# KiCad board analog_frontend_panel.kicad_pcb (continued)
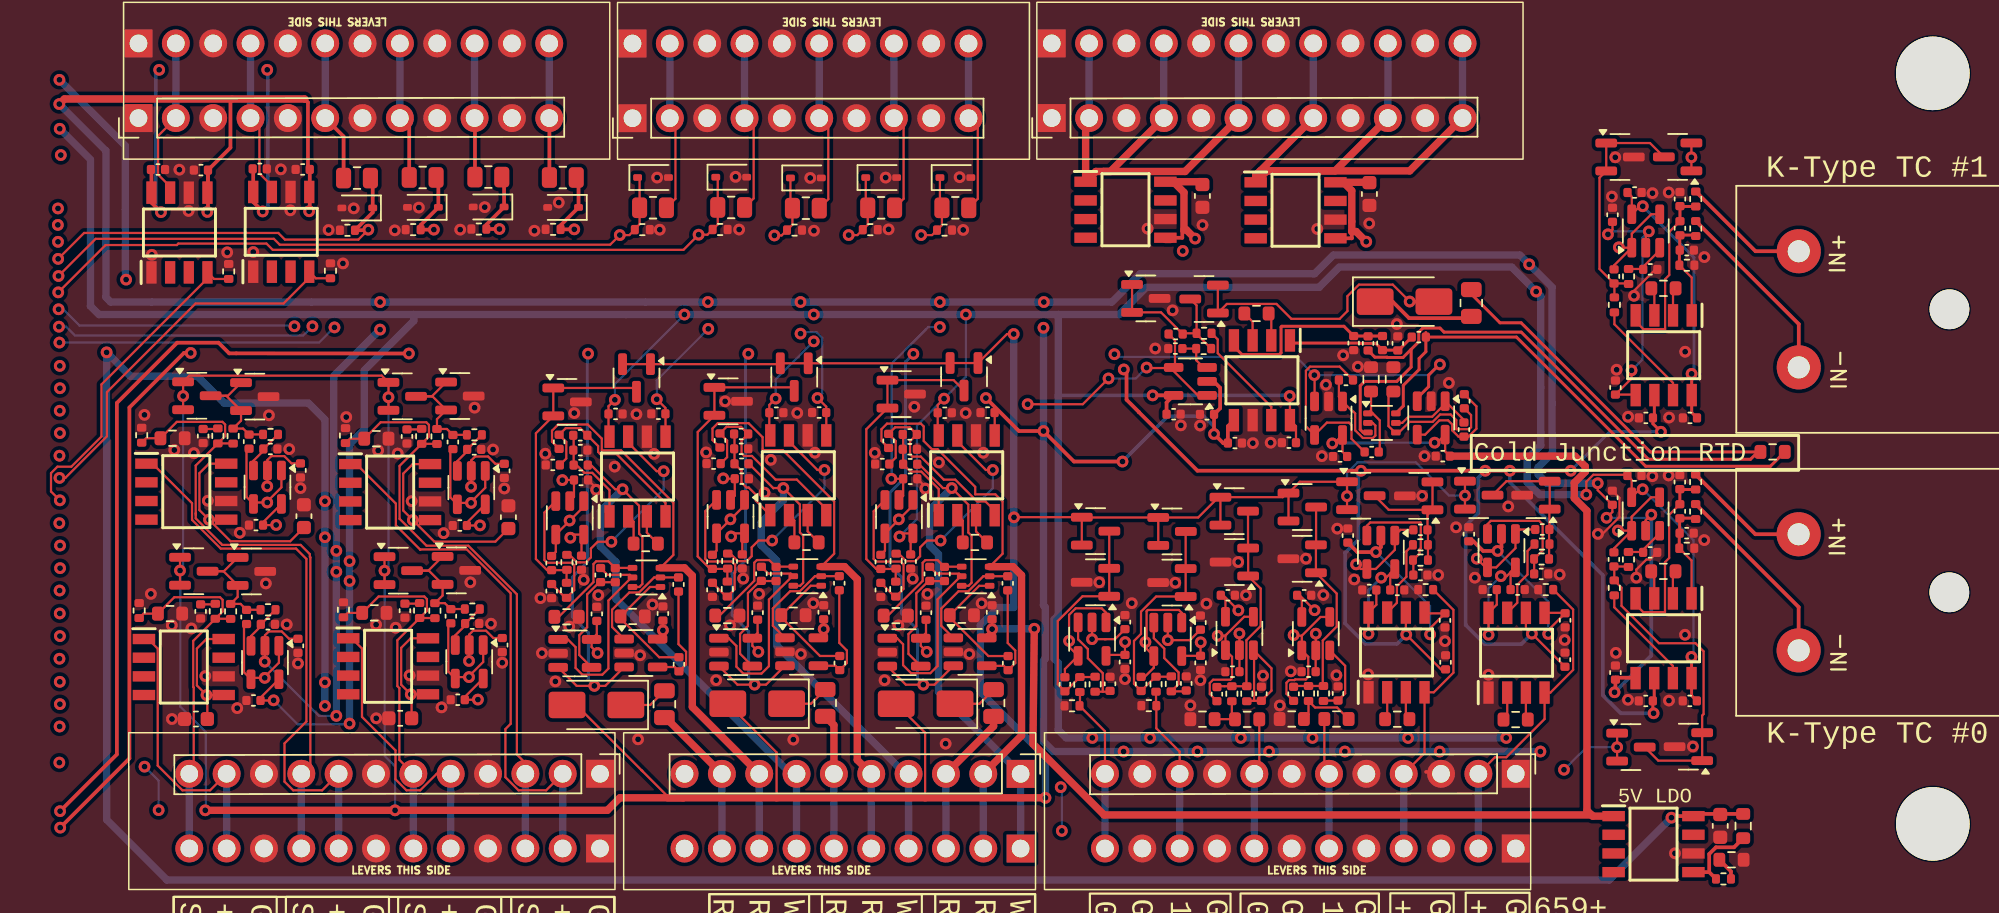
[diagram p0: board, top side]
## Routing (per net, layer and track width the routed paths; a pad name or vN(x,y) marks a point on that pad's centre or on a via; arc(x,y) is an arc through that point) (continued)
/ain_0-15V_1/sallen_key_3kHz8/VIN: length 4.6
  Top w0.15: R23002.1 79.59,11.19 R24001.1 80.03,11.66 81.53,11.66 R23001.1
/ain_0-15V_1/VIN: length 8.9
  Top w0.15: J1005.6 80.66,7.47 R23001.2
  Bottom w0.5: J1005.6 J1005.6
/ain_0-15V_/sallen_key_3kHz8/VIN: length 2.7
  Top w0.15: R45003.1 74.58,10.87 R45004.1 74.37,11.07 R44001.1
/ain_0-15V_/VIN: length 8.9
  Top w0.15: R45004.2 76.24,7.48 J1005.8
  Bottom w0.5: J1005.8 J1005.8
/ain_g1_1/VIN: length 11.3
  Top w0.15: R25001.1 69.21,11.77 ; R22001.1 69.23,10.24 70.82,8.66 J1005.10
  Bottom w0.5: J1005.10 J1005.10
/ain_g1_/VIN: length 11.4
  Top w0.15: J1005.12 65.74,10.04 R27003.1 ; R21001.1 64.04,12.7 64.04,11.73
  Bottom w0.5: J1005.12 J1005.12
/ain_g25p7_/sallen_key_1kHz2/VIN: length 5.3
  Top w0.15: IC31001.7 85.6,18.78 85.6,19.91 86.24,20.55 86.24,22.28 R9001.1
/ain_g25p7_/VIN: length 20
  Top w0.15: R31002.1 89.44,18.3 89.44,14.03 88.11,12.69 IC31001.4 87.48,8.56 J1005.4
  Bottom w0.5: J1005.4 J1005.4
/ain_g666p333_/sallen_key_100Hz1/VIN: length 5.4
  Top w0.15: IC32002.7 93.78,18.78 93.78,20.01 94.48,20.7 94.48,22.3 R14001.2
/ain_g666p333_/VIN: length 21.5
  Top w0.15: J1005.2 92.26,8.27 93.04,8.27 95.64,10.88 IC32002.4 96.04,12.67 97.58,14.22 97.58,18.32 R32004.1
  Bottom w0.5: J1005.2 J1005.2
/K-Type TC Amp1/sallen_key_1kHz/VIN: length 7.3
  Top w0.15: IC2.7 104.38,33.74 100.39,37.73 R8001.1
/K-Type TC Amp/sallen_key_1kHz/VIN: length 7.3
  Top w0.15: R5001.1 100.38,18.48 104.37,14.49 IC1.7
/pwm_in_buf1/VIN: length 11.6
  Top w0.15: J1003.2 36.52,51.36 36.52,46.27 R38001.1
  Bottom w0.5: J1003.2 J1003.2
/pwm_in_buf2/VIN: length 11.7
  Top w0.15: J1003.10 57.09,51.12 57.09,46.26 R39003.1
  Bottom w0.5: J1003.10 J1003.10
/pwm_in_buf3/VIN: length 11.7
  Top w0.15: R40001.1 52.04,46.26 52.04,51.08 J1003.8
  Bottom w0.5: J1003.8 J1003.8
/pwm_in_buf4/VIN: length 11.7
  Top w0.15: R42001.1 46.92,46.24 46.92,51.13 J1003.6
  Bottom w0.5: J1003.6 J1003.6
/pwm_in_buf/VIN: length 11.7
  Top w0.15: J1003.4 41.84,51.13 41.84,46.29 R39001.1
  Bottom w0.5: J1003.4 J1003.4
GND: length 14.3
  Top w0.15: C8004.1 100.74,25.92 100.74,24.62 99.58,23.47 v1(99.27,23.47) ; v1(101.88,20.49) 101.88,21.04 102.57,21.73 102.82,21.73 C5001.1 ; R47.2 29.94,17.81 v1(29.3,17.16) 29.17,17.04 ; C15004.1 31.13,26.59 v1(31.13,26.47) ; v1(53.52,26.55) 53.52,26.67 C18004.1 ; 51.56,17.12 v1(51.69,17.24) 52.33,17.89 R74.2 ; 101.73,39.67 v1(101.72,39.67) ; v1(101.72,39.67) 101.72,40 103.18,41.46 C8001.1 ; v1(101.72,39.67) 101.72,39.66 ; R65.2 40.88,17.89 v1(40.23,17.25) 40.11,17.12
  Top w0.25: 87.58,7.28 87.63,7.28
  Bottom w0.15: 83.98,7.81 83.85,7.67
  vias: v1(0.41,31.57) v1(0.84,19.39) v1(0.91,42.45) v1(2.27,17.25) v1(2.28,10.88) v1(2.44,29.17) v1(2.78,48.24) v1(3.41,45.43) v1(3.6,17.03) v1(3.77,28.96) v1(4.55,13.8) v1(4.72,25.72) v1(6.03,42.62) v1(6.72,11.62) v1(6.89,23.54) v1(7.81,42.64) v1(8.66,20.09) v1(8.87,31.54) v1(9.68,48.27) v1(10.08,17.31) v1(10.25,29.24) v1(10.33,45.48) v1(10.85,14.66) v1(11.02,26.58) v1(12.93,44.14) v1(13.91,41.87) v1(14.13,31.42) v1(14.64,45.61) v1(16.16,17.3) v1(16.17,10.93) v1(16.3,29.15) v1(17.43,44.12) v1(17.49,17.09) v1(17.63,28.94) v1(18.44,13.84) v1(18.58,25.7) v1(19.07,45.67) v1(20.61,11.67) v1(20.75,23.52) v1(21.88,44.17) v1(22.57,20.18) v1(22.86,32.06) v1(23.55,45.7) v1(23.98,17.36) v1(24.12,29.21) v1(24.74,14.71) v1(24.88,26.56) v1(26.93,44.09) v1(27.34,19.1) v1(27.44,15.36) v1(27.67,28.92) v1(28.35,13.43) v1(28.59,46.01) v1(29.64,31.69) v1(30.28,20.34) v1(31.28,19.3) v1(32.39,28.05) v1(33.87,31.61) v1(33.98,9.5) v1(34.12,15.21) v1(34.96,18.67) v1(35.07,28.91) v1(35.28,47.71) v1(35.45,44.16) v1(38.61,29.01) v1(39.29,13.52) v1(39.9,32.49) v1(40.61,47.76) v1(40.85,44.17) v1(41.13,20.43) v1(42.21,19.39) v1(42.58,26.27) v1(43.01,28.5) v1(44.54,9.48) v1(44.81,31.69) v1(45.06,15.3) v1(45.69,47.68) v1(45.9,18.75) v1(45.94,44.09) v1(46.01,28.99) v1(50.08,28.98) v1(50.75,13.51) v1(50.82,47.71) v1(51.02,44.18) v1(52.66,20.43) v1(52.77,32.12) v1(53.67,19.38) v1(54.44,28.33) v1(54.9,9.2) v1(55.85,47.73) v1(56.1,44.14) v1(56.26,31.69) v1(56.51,15.29) v1(57.35,18.75) v1(57.46,28.99) v1(65.35,20.18) v1(67.1,13.59) v1(67.56,18.75) v1(68.64,44.24) v1(69.16,36.08) v1(70.34,38.68) v1(70.52,20.15) v1(70.9,30.85) v1(71.55,11.81) v1(72.21,30.84) v1(72.23,13.51) v1(72.37,44.48) v1(72.64,18.73) v1(74.8,21.56) v1(75.33,19.29) v1(75.8,29.64) v1(76.49,13.82) v1(77.01,29.67) v1(77.63,11.8) v1(78.38,14.12) v1(79.41,21.78) v1(80.18,44.21) v1(80.49,28.76) v1(80.59,19.31) v1(80.77,33.62) v1(81.48,13.85) v1(81.54,23.83) v1(81.94,35.62) v1(82.69,20.37) v1(82.94,34.84) v1(83.64,13.91) v1(83.71,44.59) v1(85.59,37.74) v1(87.31,26.06) v1(87.48,28.76) v1(88.41,20.67) v1(88.87,16.17) v1(89.13,33.74) v1(89.62,23.92) v1(90.9,20.49) v1(91.83,13.89) v1(93.17,25.34) v1(96.67,20.7) v1(97.01,16.25) v1(100.22,46.42) v1(100.45,49.09) v1(100.49,15.38) v1(100.54,34.64) v1(101.32,31.43) v1(101.32,12.18) v1(102.98,46.64) v1(102.97,27.39) v1(104.09,46.69) v1(104.08,27.44) v1(104.1,12.13) v1(104.11,31.38) v1(104.51,1.74) v1(105.2,35.86) v1(105.2,16.61) v1(105.73,9) v1(106.5,23.05) v1(106.51,42.3)
/4-20mA Frontend1/+24_EXC: length 39.5
  Top w0.15: IC33001.1 0.95,28.25 3.64,25.56 3.64,24.42 5.6,22.47 10.72,22.47 11.42,21.77 11.42,10.71 9.93,9.22 9.93,6.62 10.52,6.03 12.49,6.03 J1004.8
  Bottom w0.5: J1004.8 J1004.8
/4-20mA Frontend1/SIGNAL: length 43.8
  Top w0.15: J1004.9 11.69,7.77 11.69,21.88 11.66,21.91 11.66,22.09 11.03,22.72 5.7,22.72 3.89,24.53 3.89,24.87 ; R24.2 3.89,28.12 3.89,24.87 ; R24.2 6.43,29.62 R30001.1 ; R24.2 5.89,30.12 5.89,30.91 5.71,31.09 2.61,31.09 R25.2 0.52,29.97 R11001.1 ; 3.89,24.75 3.89,24.87
  Bottom w0.5: J1004.9 J1004.9
/4-20mA Frontend2/+24_EXC: length 20.7
  Top w0.15: J1004.5 20.29,7.15 19.16,6.03 18.23,6.03 17.48,6.77 17.48,8.74 15.2,11.02 15.2,15.67 14.5,16.37 IC34001.1
  Bottom w0.5: J1004.5 J1004.5
/4-20mA Frontend2/SIGNAL: length 25.6
  Top w0.15: R32001.1 20.15,17.75 R26.2 ; R26.2 19.62,18.24 19.62,19.03 19.44,19.21 16.33,19.21 R27.2 14.24,18.09 R12001.1 ; R26.2 17.61,16.23 17.61,13.12 17.74,12.98 17.74,8.1 J1004.6
  Bottom w0.5: J1004.6 J1004.6
/4-20mA Frontend3/+24_EXC: length 37.9
  Top w0.15: IC35001.1 14.82,28.22 17.51,25.53 17.51,24.05 19.16,22.4 19.18,22.41 22.34,22.41 25.32,19.43 25.32,10.55 24.96,10.19 24.96,6.92 25.85,6.03 27.73,6.03 J1004.2
  Bottom w0.5: J1004.2 J1004.2
/4-20mA Frontend3/SIGNAL: length 42.2
  Top w0.15: 14.08,29.65 14.38,29.95 R29.2 16.47,31.06 19.58,31.06 19.76,30.88 19.76,30.09 R28.2 ; R28.2 17.76,28.09 17.76,24.5 19.59,22.67 22.43,22.67 25.74,19.36 25.74,8.46 26.31,7.88 J1004.3 ; R28.2 20.29,29.6 R33001.1
  Bottom w0.5: J1004.3 J1004.3
/4-20mA Frontend/+24_EXC: length 20.1
  Top w0.15: J1004.11 4.87,6.03 2.99,6.03 1.31,7.71 1.31,15.66 0.65,16.32 IC32001.1
  Bottom w0.5: J1004.11 J1004.11
/4-20mA Frontend/SIGNAL: length 25.3
  Top w0.15: R22.2 5.72,18.19 5.72,18.98 5.54,19.16 2.44,19.16 1.32,18.05 0.35,18.05 R10001.1 ; R22.2 3.72,16.19 3.72,13.06 3.76,13.02 3.76,7.45 J1004.12 ; R22.2 6.26,17.7 R16001.1
  Bottom w0.5: J1004.12 J1004.12
/AIN2: length 117.8
  Top w0.15: 70.2,34.75 70.5,35.05 70.5,36.63 C20002.2 ; 70.2,34.75 72.1,32.85 72.48,32.85 ; 70.2,34.75 68.6,34.75 v1(68.57,34.78) ; v1(65.98,34.04) 64.23,32.29 v1(60.48,32.29)
  In2.Cu w0.15: v1(62.81,3.27) 62.1,3.97 2.07,3.97 v1(1.37,4.68) ; v1(60.48,32.29) 60.48,30.73 62.73,28.48 62.73,18.33 62.72,18.31 62.72,15.59 62.73,15.58 v1(62.73,6.24) ; v1(-5.38,7.91) -5.11,7.64 v1(0.41,7.64)
  Bottom w0.15: v1(0.41,7.64) 1.37,6.68 v1(1.37,4.68) 1.41,4.64 ; v1(62.73,6.24) 62.81,6.17 v1(62.81,3.27) ; v1(68.57,34.78) 67.83,34.04 v1(65.98,34.04)
/AIN3: length 23.5
  Top w0.15: C16002.2 7.18,17.16 7.18,14.05 U16001.4 7.75,13.68 v1(8.59,13.68) 8.59,13.74 9.55,14.71 U16001.1
  In2.Cu w0.15: v1(8.59,13.68) 7.89,14.37 4.31,14.37 0.3,10.37 v1(-5.37,10.37)
/AIN4: length 32.7
  Top w0.15: C30002.2 7.35,29.09 7.35,25.98 7.82,25.51 7.92,25.6 v1(8.76,25.6) 8.76,25.67 9.72,26.63 U28001.1
  In2.Cu w0.15: v1(-5.35,11.89) -4.78,12.45 -4.78,14.28 -5.49,14.28 -6.04,14.83 -6.04,15.12 -5.3,15.87 -5.18,15.87 1.68,22.73 1.68,23.92 4.23,26.47 8.18,26.47 8.76,25.89 v1(8.76,25.6)
/AIN5: length 44.4
  Top w0.15: U30001.1 23.45,14.76 22.48,13.79 v1(22.48,13.73) 21.64,13.73 U30001.4 21.07,14.1 21.07,17.21 C32003.2
  In2.Cu w0.15: v1(22.48,13.73) 23.66,12.55 23.66,11.96 21.37,9.67 -5.64,9.67 -6.17,10.2 -6.17,12.59 v1(-5.36,13.41)
/AIN6: length 42.7
  Top w0.15: C33003.2 21.21,29.06 21.21,25.95 U31001.4 21.78,25.58 v1(22.62,25.58) 22.62,25.64 23.59,26.61 U31001.1
  In2.Cu w0.15: v1(-5.38,14.98) -1.86,18.49 18.48,18.49 23.8,23.81 23.8,24.4 v1(22.62,25.58)
/AIN7: length 60.9
  Top w0.15: C15002.2 28.38,22.25 U15001.4 29.32,24.36 v1(29.32,24.38) 29.34,24.38 30.28,25.32 U15001.1
  In2.Cu w0.15: v1(-5.35,16.52) -6.42,15.44 -6.42,9.91 -5.72,9.21 25.98,9.21 26.76,9.99 26.76,21.82 v1(29.32,24.38)
/AIN8: length 69
  Top w0.15: U17001.1 41.22,25.41 40.28,24.46 v1(40.26,24.46) 40.26,24.45 U17001.4 39.32,22.33 C17002.2
  In2.Cu w0.15: v1(-5.36,18.06) -6.67,16.74 -6.67,9.81 -5.82,8.96 26.86,8.96 28.94,11.05 28.94,14.13 38.76,23.94 39.74,23.94 v1(40.26,24.46)
/AIN9: length 97.2
  Top w0.15: C18002.2 50.78,22.33 U18001.4 51.72,24.44 v1(51.72,24.46) 51.73,24.46 52.68,25.4 U18001.1
  In2.Cu w0.15: 50.78,8.65 -5.86,8.65 -6.92,9.71 -6.92,18.06 v1(-5.37,19.62) ; 50.78,8.65 51.06,8.92 ; 50.78,8.65 51.06,8.92 ; 51.06,8.92 58.64,16.5 58.64,17.54 58,18.17 56.07,18.17 51.19,23.05 51.19,23.93 v1(51.72,24.46)
/AIN10: length 145.9
  Top w0.15: C5002.2 100.36,22.48 U5001.1 ; U5001.4 102.89,25.96 101.57,24.63 U5001.1 ; U5001.1 v1(100.63,23.7) 100.64,23.68
  In2.Cu w0.15: v1(100.63,23.7) 98.78,21.85 98.78,6.59 96.83,4.64 34.59,4.64 33.45,5.78 2.38,5.78 1.21,6.95 -5.56,6.95 -7.17,8.56 -7.17,19.3 v1(-5.34,21.14)
/AIN11: length 168.9
  Top w0.15: U8001.4 102.9,45.21 101.57,43.89 U8001.1 ; v1(100.7,42.96) 100.72,42.94 U8001.1 ; U8001.1 100.37,41.73 C8002.2
  In2.Cu w0.15: v1(100.7,42.96) 99.86,42.12 99.86,26.54 101.21,25.19 101.21,22.96 99.46,21.22 99.46,6.83 96.85,4.22 34.42,4.22 33.12,5.52 2.03,5.52 0.99,6.57 -5.64,6.57 -7.42,8.35 -7.42,20.59 v1(-5.34,22.68)
/AIN12: length 103.1
  Top w0.15: C21002.2 63.01,14.27 U21001.4 63.3,15.78 v1(63.3,16.19) 63.3,17.96 63.75,18.41 65.51,18.41 65.81,18.11 U21001.1
  In2.Cu w0.15: v1(-5.39,24.2) -5.38,24.19 -1.75,24.19 -1.75,33.31 -1.4,33.67 62.2,33.67 63.3,32.58 63.3,16.19 v1(63.3,16.19)
/AIN13_DAC0: length 22.4
  Top w0.15: 4.66,41.23 IC37001.4 ; IC37001.4 5.14,40.81 R37001.1 ; IC37001.4 4.69,40.84 -2.52,33.63 -2.52,30.09 -4.57,28.04 -5.52,28.04 -5.95,27.6 -5.95,26.35 v1(-5.35,25.75)
/AIN14_DAC1: length 26.5
  Top w0.15: v1(-5.38,27.28) -4.98,27.28 -2.14,30.11 -2.14,33.12 3.88,39.14 9.86,39.14 11.61,40.89 IC34002.4 ; IC34002.4 12.06,40.86 R34001.1 ; IC34002.4 11.58,41.27
/AIN15: length 102.6
  Top w0.15: U25001.1 70.96,18.1 70.77,18.29 68.66,18.29 68.57,18.21 68.57,15.65 U25001.4 69.06,14.37 68.44,13.74 C25002.2 68.23,13.78
  In2.Cu w0.15: v1(-5.38,28.79) -5.29,28.87 -2.21,28.87 -2.21,33.21 -1.5,33.92 62.36,33.92 63.81,32.47 63.81,25.66 65.26,24.22 67.83,24.22 68.49,23.56 v1(68.49,16.11)
/AIN16: length 106.6
  Top w0.15: C44002.2 72.87,12.57 72.87,13.32 73.1,13.55 74.27,13.55 74.38,13.66 74.38,15.11 U42002.1 73.93,16.56 ; 73.93,16.56 75.21,17.83 U42002.4 ; 73.93,16.56 73.91,16.53 v1(73.41,16.53)
  In2.Cu w0.15: v1(73.41,16.53) 73.41,23.59 72.13,24.87 65.31,24.87 64.32,25.85 64.32,32.68 62.82,34.18 -1.6,34.18 -2.62,33.16 -2.62,30.34 -2.63,30.33 v1(-5.35,30.33)
/AIN17: length 109.8
  Top w0.15: 79.13,16.54 U24001.1 79.57,15.11 79.57,13.73 79.4,13.57 78.67,13.57 78.63,13.52 78.27,13.52 78.08,13.34 78.08,12.59 C24002.2 ; 79.13,16.54 80.4,17.82 U24001.4 ; 79.13,16.54 78.61,16.54 v1(78.57,16.59)
  In2.Cu w0.15: v1(-5.36,31.85) -2.96,31.85 -2.95,31.86 -2.95,33.18 -1.62,34.51 63.11,34.51 64.91,32.71 64.91,26.51 65.56,25.87 75.98,25.87 78.57,23.28 v1(78.57,16.59)
/AIN18: length 106.8
  Top w0.15: v1(82.82,21.4) 83.14,21.08 U9001.4 84.15,21.08 85.45,22.38 U9001.1 85.84,23.74 C9002.2
  In2.Cu w0.15: v1(-5.35,33.38) -3.1,33.38 -1.72,34.76 63.48,34.76 65.4,32.84 65.38,32.82 65.38,27.06 65.86,26.59 80.52,26.59 80.52,26.62 80.79,26.89 82.73,26.89 82.82,26.8 v1(82.82,21.4)
/AIN19: length 113.7
  Top w0.15: 91.76,21.19 92.35,21.19 93.66,22.5 93.66,23.46 93.96,23.77 C14002.2 ; v1(91.03,21.78) 91.63,21.19 U14002.4
  In2.Cu w0.15: v1(91.03,21.78) 91.17,21.93 91.17,26.12 90.16,27.14 66.23,27.14 65.75,27.62 65.75,31.41 65.73,31.43 65.73,33.04 63.76,35.01 -5.25,35.01 v1(-5.36,34.9)
/COUNTER0: length 56.5
  Top w0.15: D42001.1 44.35,45.76 R42001.2 44.48,44.5 R42002.1 43.75,43.77 v1(43.25,43.77)
  In2.Cu w0.15: v1(10.61,37.59) 14.68,41.67 33.16,41.67 33.37,41.88 41.37,41.88 v1(43.25,43.77)
  Bottom w0.15: v1(-5.44,38.75) -5.13,38.75 -4.02,37.64 10.56,37.64 v1(10.61,37.59)
/dac_buf1/VOUT: length 10.7
  Top w0.15: J1001.4 8.22,51.15 8.22,47.99 9.07,47.14 IC34002.7
  Bottom w0.5: J1001.4 J1001.4
/dac_buf/VOUT: length 11
  Top w0.15: J1001.2 1.33,50.54 1.33,47.91 2.15,47.09 IC37001.7
  Bottom w0.5: J1001.2 J1001.2
/ENCODER0_0: length 44.6
  Top w0.15: v1(-5.44,41.01) -2.91,43.54 9.21,43.54 9.61,43.14 32.08,43.14 v1(32.74,43.79) ; v1(32.74,43.79) 33.39,43.79 R38002.1 33.76,44.21 34.08,44.53 R38001.2 34.08,47.58 D38001.1 ; v1(32.74,43.79) 32.74,43.8
/ENCODER0_1: length 50.4
  Top w0.15: v1(-5.46,39.9) -2.24,43.12 2.61,43.12 2.71,43.22 8.71,43.22 9.13,42.79 37.07,42.79 v1(38.1,43.82) 38.7,43.82 R39002.1 39.4,44.52 R39001.2 39.4,47.6 D39001.1
/FREQ0: length 61.8
  Top w0.15: v1(48.31,43.79) 48.9,43.79 R40002.1 49.6,44.5 R40001.2 49.47,45.78 D40001.1
  In2.Cu w0.15: v1(11.83,37.59) 15.31,41.07 43.36,41.07 44.52,42.23 46.74,42.23 v1(48.31,43.79)
  Bottom w0.15: -5.36,37.51 v1(-5.41,37.56) -4.92,37.56 -4.32,36.97 11.21,36.97 v1(11.83,37.59) 11.91,37.67
/FREQ1: length 66.6
  Top w0.15: v1(53.24,43.79) 53.98,43.79 R39004.1 54.65,44.47 54.65,45.65 54.51,45.78 D39002.1
  In2.Cu w0.15: v1(13.33,37.52) 15.97,40.15 44.17,40.15 45.32,41.3 50.74,41.3 v1(53.24,43.79)
  Bottom w0.15: v1(13.33,37.52) 13.31,37.52 12.28,36.48 v1(-5.38,36.48)
/K-Type TC Amp1/Signal+: length 12.5
  Top w0.15: C8.1 104.12,44.01 104.12,41.08 103.84,40.8 103.84,37.4 102.36,37.4 101.84,37.92 IC2.4
  Top w0.2: R7.2 104.88,45.74 C7.1 C8.1
/K-Type TC Amp1/Signal-: length 6.8
  Top w0.15: IC2.1 105.65,40.91 R9.1
  Top w0.2: 105.92,43.79 104.96,43.79 104.92,43.83 ; R9.1 104.81,42.74 C9.1 104.84,43.76 C8.2
/K-Type TC Amp/Signal+: length 12.5
  Top w0.15: IC1.4 101.83,18.67 102.36,18.14 103.83,18.14 103.83,21.55 104.12,21.83 104.12,24.76 C2.1
  Top w0.2: C2.1 C1.1 104.87,26.49 R2.2
/K-Type TC Amp/Signal-: length 6.8
  Top w0.15: R4.1 105.64,21.65 IC1.1
  Top w0.2: C2.2 104.83,24.51 C3.1 104.8,23.49 R4.1 ; 104.91,24.58 104.95,24.54 105.91,24.54
/PWM0: length 27.3
  Top w0.15: v1(15.63,44.16) 14.96,43.49 9.96,43.49 9.51,43.94 -3.7,43.94 v1(-5.47,42.18)
  Top w0.25: v1(15.63,44.16) 15.59,44.12 R33003.1 15.93,45.33 D33001.1 15.93,47.52 R33004.1
/PWM1: length 30.9
  Top w0.25: v1(20.09,44.17) R19001.1 19.19,44.48 D19001.1 20.4,47.56 R19002.1
  In2.Cu w0.15: v1(-5.48,43.34) 19.26,43.34 v1(20.09,44.17)
/PWM2: length 35.6
  Top w0.25: v1(24.55,44.21) R26001.1 23.66,44.5 D26001.1 24.87,47.58 R26002.1
  In2.Cu w0.15: v1(24.55,44.21) 24.02,44.74 -5.23,44.74 v1(-5.49,44.49)
  Bottom w0.15: -5.34,44.63 v1(-5.49,44.49)
/PWM3: length 41.3
  Top w0.25: R27002.1 29.93,47.55 D27001.1 28.71,44.46 R27001.1 v1(29.64,44.19)
  In2.Cu w0.15: v1(29.64,44.19) 29.49,44.19 27.4,46.27 -4.81,46.27 v1(-5.48,45.61)
/pwm_out_buf1/VOUT: length 9.4
  Top w0.25: 18.39,47.74 R19002.2 18.42,51.12 J1001.8
  Bottom w0.5: J1001.8 J1001.8
/pwm_out_buf2/VOUT: length 9.1
  Top w0.25: J1001.10 22.89,51.73 R26002.2 22.86,47.77
  Bottom w0.5: J1001.10 J1001.10
/pwm_out_buf3/VOUT: length 9.1
  Top w0.25: 27.94,47.72 R27002.2 27.95,51.74 J1001.12
  Bottom w0.5: J1001.12 J1001.12
/pwm_out_buf/VOUT: length 9.7
  Top w0.25: J1001.6 13.95,50.5 R33004.2
  Bottom w0.5: J1001.6 J1001.6
/RTD Amp1/R+: length 9.2
  Top w0.5: R59.2 47.3,10.46 J1006.6
  Bottom w0.5: J1006.6 J1006.6
/RTD Amp1/R-: length 38.9
  Top w0.15: R60.2 39.04,29.85 39.04,30.64 39.41,31 41.5,31 42.45,30.05 42.45,29.23 42.52,29.17 43.83,29.17 47.32,25.67 47.32,22.12 U3.3
  Top w0.5: U3.3 48.03,21.24 48.89,20.38 48.89,8.09 J1006.5
  Bottom w0.5: J1006.5 J1006.5
/RTD Amp1/rtd_amp_inner/Signal+: length 14
  Top w0.15: IC18.4 46.78,25.16 44.78,27.16 43.33,27.16 41.73,28.77 41.19,28.77 41.02,28.95 41.02,29.81 C72.1 40.99,30.75 40,30.75 R60.1 40.04,29.82 40.04,28.68 C71.2
/RTD Amp1/rtd_amp_inner/Signal-: length 6.6
  Top w0.15: 40.54,30.24 R61.1 41.01,27.76 41.01,26.96 41.36,26.62 41.51,26.62 41.99,26.14 41.99,25.73 IC18.1
/RTD Amp1/rtd_amp_inner/Vout: length 14.1
  Top w0.15: R17001.1 40.25,22.13 40.76,21.62 41.37,21.62 41.71,21.95 41.71,22.55 42.17,23.02 v1(43.1,23.02) ; v1(46.66,27.82) 46.18,27.82 44.25,29.76 IC18.7
  Bottom w0.15: v1(43.1,23.02) 46.66,26.57 v1(46.66,27.82)
/RTD Amp1/W-: length 40.3
  Top w0.15: U3.6 45.01,19.94 45.21,20.15 45.21,23.35 44.99,23.57 44.99,25.46 v1(43.86,26.59) 43.2,26.59 43.18,26.58 41.52,28.24 41.5,28.24
  Bottom w0.5: J1006.4 J1006.4 52.15,7.15 43.41,15.88 43.41,21.65 42.35,22.71 42.35,24.25 43.86,25.76 v1(43.86,26.59)
/RTD Amp2/R+: length 10.7
  Top w0.2: J1006.3 55.26,7.15
  Top w0.5: R68.2 58.16,10.39 J1006.3
  Bottom w0.5: J1006.3 J1006.3
/RTD Amp2/R-: length 39.8
  Top w0.15: U4.3 58.77,22.12 58.77,25.67 58.28,26.16 56.91,26.16 56.91,26.67 54.35,29.23 53.97,29.23 53.41,29.79 53.41,30.78 53.22,30.97 50.92,30.97 50.54,30.59 50.54,29.8 R69.2
  Top w0.5: U4.3 59.48,21.24 60.06,20.66 60.06,9.75 J1006.2
  Bottom w0.5: J1006.2 J1006.2
/RTD Amp2/rtd_amp_inner/Signal+: length 13.9
  Top w0.15: IC21.4 58.24,25.05 57.61,25.68 57.04,25.68 55.56,27.16 54.78,27.16 53.21,28.73 52.64,28.73 52.48,28.88 52.48,29.78 C83.1 52.46,30.72 51.47,30.72 R69.1 51.51,29.79 51.51,28.65 C82.2
/RTD Amp2/rtd_amp_inner/Signal-: length 6.9
  Top w0.15: C83.2 52.01,30.21 R70.1 52.51,27.7 53.25,27.7 54.43,26.52 IC21.1
/RTD Amp2/rtd_amp_inner/Vout: length 14.1
  Top w0.15: v1(54.56,23.01) 53.63,23.01 53.16,22.55 53.16,21.95 52.83,21.61 52.22,21.61 51.71,22.13 R18001.1 ; v1(58.11,27.81) 57.64,27.81 55.7,29.75 IC21.7
  Bottom w0.15: v1(58.11,27.81) 58.11,26.57 v1(54.56,23.01)
/RTD Amp2/W-: length 38.5
  Top w0.15: R70.2 53.1,28.21 54.72,26.59 v1(55.32,26.59) 56.44,25.46 56.44,23.56 56.66,23.34 56.66,20.14 56.46,19.94 U4.6
  Bottom w0.5: v1(55.32,26.59) 53.81,25.07 53.81,22.69 54.42,22.08 54.42,12.73 J1006.1 J1006.1
/RTD Amp/R+: length 10.6
  Top w0.5: J1006.9 35.86,10.97 R41.2
  Bottom w0.5: J1006.9 J1006.9
/RTD Amp/R-: length 40.2
  Top w0.15: U1.3 36.38,22.03 36.38,25.59 32.82,29.15 31.51,29.15 31.51,29.95 30.56,30.91 28.55,30.91 28.13,30.49 28.13,29.74 R42.2
  Top w0.5: J1006.8 37.67,11.69 37.67,20.62 37.14,21.16 U1.3
  Bottom w0.5: J1006.8 J1006.8
/RTD Amp/rtd_amp_inner/Signal+: length 13.1
  Top w0.15: C49.2 29.1,28.59 29.1,29.73 R42.1 29.06,30.66 30.05,30.66 C50.1 31.26,29.44 31.26,29.04 31.41,28.9 32.52,28.9 35.85,25.57 IC12.4
/RTD Amp/rtd_amp_inner/Signal-: length 7
  Top w0.15: IC12.1 32.04,26.45 30.86,27.62 30.33,27.62 29.8,28.15 R43.1 29.6,30.15 C50.2
/RTD Amp/rtd_amp_inner/Vout: length 14.1
  Top w0.15: v1(32.16,22.93) 31.24,22.93 30.77,22.47 30.77,21.87 30.44,21.53 29.83,21.53 29.31,22.05 R15001.1 ; IC12.7 33.31,29.67 35.25,27.73 v1(35.72,27.73)
  Bottom w0.15: v1(32.16,22.93) 35.72,26.49 v1(35.72,27.73)
/RTD Amp/W-: length 41.6
  Top w0.15: R43.2 30.78,28.15 32.42,26.5 v1(32.93,26.5) 34.05,25.38 34.05,23.48 34.27,23.26 34.27,20.06 34.07,19.86 U1.6
  Bottom w0.5: v1(32.93,26.5) 31.41,24.99 31.41,22.62 32.48,21.56 32.48,19.04 44.37,7.15 J1006.7 J1006.7
/rtd_amp_inner1/250uA_SINK_1: length 34.8
  Top w0.2: R1.1 111,28.07 102.52,28.07 93.73,36.86 R52.2 ; 87.57,37.17 87.57,35.86 87.11,35.4 87.11,34.65 86.03,33.57 86.03,32.17 U2.6
/rtd_amp_inner1/250uA_SINK_2: length 65.2
  Top w0.2: 86.56,36.02 87.09,36.54 87.09,37.2 87.36,37.47 88.53,37.47 88.8,37.19 94.05,37.19 102.7,28.55 109.65,28.55 110.15,29.05 R1.2 102.83,29.05 94.05,37.83 92.61,37.83 90.66,39.78 R50.2 ; 86.56,36.02 86.01,35.47 84.95,35.47 84.93,35.49 84.1,35.49 R51.2 ; 86.56,36.02 86.56,34.81 85.59,33.84 83.4,33.84 83.1,33.54 83.1,30.57 83.3,30.37 U2.3
/rtd_amp_inner1/Signal+: length 12.8
  Top w0.2: C61.1 C60.2 81.99,37.59 77.77,37.59 77.72,37.54 77.72,35.78 77.6,35.67 75.06,35.67 74.51,36.22 74.51,36.63
/rtd_amp_inner1/Signal-: length 8.9
  Top w0.2: IC15.1 78.5,36.45 83.07,36.45 83.09,36.43 84.16,36.43 C61.2 85.64,35.97 C62.1 85.7,35.95 R52.1
/rtd_amp_inner1/Vout: length 7.7
  Top w0.15: 72.88,37.23 R20002.2 73.41,36.69 73.41,35.76 77.05,32.12 IC15.7
Net-(C25-Pad1): length 1
  Top w0.15: C25.1 5.19,18.68 R22.1
  Top w0.25: 5.22,18.71 R22.1
Net-(C28-Pad1): length 1
  Top w0.15: C28.1 5.36,30.6 R24.1
  Top w0.25: 5.39,30.63 R24.1
Net-(C31-Pad1): length 1
  Top w0.15: R26.1 19.08,18.73 C31.1
  Top w0.25: 19.11,18.75 R26.1
Net-(C34-Pad1): length 1
  Top w0.15: R28.1 19.22,30.58 C34.1
  Top w0.25: 19.25,30.61 R28.1
Net-(D7-K): length 3
  Top w0.15: D7.1 34.81,11.83 35.77,12.8
Net-(D8-K): length 7.1
  Top w0.25: D8.1 85.3,39.27 86.43,38.14 90.54,38.14 R50.1
Net-(D9-K): length 3
  Top w0.15: R59.1 45.75,11.92 D9.1
Net-(D10-K): length 3
  Top w0.15: D10.1 57.2,11.91 R68.1
Net-(IC1-RG_1): length 1.9
  Top w0.15: IC1.2 104.37,20.74 R6.1
Net-(IC1-RG_2): length 1.9
  Top w0.15: IC1.3 103.1,20.72 R6.2
Net-(IC2-RG_1): length 1.9
  Top w0.15: R11.1 104.38,40 IC2.2
Net-(IC2-RG_2): length 1.9
  Top w0.15: IC2.3 103.11,39.97 R11.2
Net-(IC12-RG_1): length 2
  Top w0.15: IC12.2 33.68,24.29 R40.1
Net-(IC12-RG_2): length 2.2
  Top w0.15: R40.2 34.58,23.55 IC12.3
Net-(IC13--IN): length 7.4
  Top w0.15: IC13.4 36.47,14.41 R45001.2 37.25,14.6 37.25,15.45 36.73,15.97 C45003.1
Net-(IC13-OUT): length 7.8
  Top w0.15: IC13.1 32.21,17.13 32.21,18.31 33.38,19.48 34.05,19.48 35.07,20.51 U1.2 35.5,20.51 C45003.2
Net-(IC14--IN): length 7.8
  Top w0.15: IC14.4 29.98,15.23 29.98,16.58 30.52,17.11 30.52,19.35 31.35,20.19 C45004.1 31.44,20.18 R45002.1
Net-(IC14-OUT): length 14.8
  Top w0.15: C45004.2 31.9,20.68 33.43,20.68 U1.5 33.54,20.51 31.96,18.93 31.96,14.31 31.55,13.89 30.19,13.89 29.73,14.35 29.73,15.76 29.21,16.29 IC14.1
Net-(IC15-RG_1): length 1.9
  Top w0.15: IC15.2 77.05,38.28 R49.1
Net-(IC15-RG_2): length 2.1
  Top w0.15: IC15.3 75.78,37.9 R49.2
Net-(IC16--IN): length 13.4
  Top w0.15: C44005.1 81.7,34.84 79.69,34.84 79.41,34.57 79.41,30.79 IC16.4 80.83,31.04 82.33,31.04 82.51,30.87 82.51,29.94 R44003.2
Net-(IC16-OUT): length 6.8
  Top w0.15: 81.65,33.94 81.65,32.8 81.9,32.56 IC16.1 82.58,31.79 82.63,31.79 82.76,31.67 82.76,30.52 83.28,29.99 83.97,29.99 84.13,30.16 84.13,30.84 83.95,31.02 U2.2
Net-(IC17--IN): length 8
  Top w0.15: R44004.1 91.01,32.15 91.01,30.63 90.47,30.09 C44006.1 89.79,30.09 89.35,30.52 89.35,30.92 89.08,31.19 88.48,31.19 87.51,30.22 IC17.4
Net-(IC17-OUT): length 6
  Top w0.15: U2.5 85.96,31.02 86.38,31.44 88,31.44 88.88,32.32 IC17.1 90.16,31.22 C44006.2
Net-(IC18-RG_1): length 2
  Top w0.15: R58.1 44.61,24.38 IC18.2
Net-(IC18-RG_2): length 2.2
  Top w0.15: IC18.3 45.51,23.64 R58.2
Net-(IC19--IN): length 7.4
  Top w0.15: IC19.4 47.4,14.5 R46001.2 48.18,14.69 48.18,15.54 47.67,16.05 C46002.1
Net-(IC19-OUT): length 7.8
  Top w0.15: IC19.1 43.15,17.22 43.15,18.39 44.32,19.57 44.98,19.57 46.01,20.59 U3.2 46.44,20.59 C46002.2
Net-(IC20--IN): length 7.8
  Top w0.15: IC20.4 40.92,15.31 40.92,16.66 41.45,17.2 41.45,19.44 42.29,20.27 C46003.1 42.38,20.26 R46002.1
Net-(IC20-OUT): length 14.7
  Top w0.15: C46003.2 42.83,20.77 44.36,20.77 U3.5 44.47,20.59 42.88,19 42.88,14.47 42.37,13.97 41.14,13.97 40.67,14.44 40.67,15.85 40.14,16.37 IC20.1
Net-(IC21-RG_1): length 2
  Top w0.15: R67.1 56.07,24.37 IC21.2
Net-(IC21-RG_2): length 2.2
  Top w0.15: IC21.3 56.97,23.63 R67.2
Net-(IC22--IN): length 7.4
  Top w0.15: C47002.1 59.12,16.05 59.64,15.53 59.64,14.68 R47001.2 58.86,14.49 IC22.4
Net-(IC22-OUT): length 7.8
  Top w0.15: C47002.2 57.9,20.59 U4.2 57.46,20.59 56.44,19.56 55.78,19.56 54.6,18.39 54.6,17.22 IC22.1
Net-(IC23--IN): length 7.8
  Top w0.15: R47002.1 53.83,20.26 C47003.1 53.74,20.27 52.91,19.44 52.91,17.19 52.37,16.66 52.37,15.31 IC23.4
Net-(IC23-OUT): length 14.7
  Top w0.15: IC23.1 51.6,16.37 52.01,15.96 52.01,14.54 52.55,13.99 53.86,13.99 54.35,14.49 54.35,19.01 55.93,20.59 U4.5 55.82,20.76 54.29,20.76 C47003.2
Net-(IC1001-VO): length 37.5
  Top w0.5: J1007.6 71.19,48.12 65.65,48.12 ; J1007.4 66.11,48.12 65.65,48.12 ; IC1001.1 65.12,48.12 65.65,48.12 ; IC1001.1 64.36,47.48 ; IC1001.1 64.42,51.52 J1007.2
  Bottom w0.5: J1007.6 J1007.6 ; J1007.2 J1007.2 ; J1007.4 J1007.4
Net-(IC1002-ADJ_/_EN): length 5.7
  Top w0.25: IC1002.5 106.84,0.46 ; 106.84,0.46 106.84,1.69 107.3,2.15 108.53,2.15 R1003.1 ; 106.84,0.46 R1001.1
Net-(IC1003-VO): length 48
  Top w0.5: J1007.8 75.99,47.84 ; 75.99,47.84 76.31,48.16 81.39,48.16 J1007.10 ; 75.99,47.84 IC1003.1 76.77,48.16 86.47,48.16 J1007.12 89.79,51.76
  Bottom w0.5: J1007.8 J1007.8 ; J1007.12 J1007.12 ; J1007.10 J1007.10
Net-(IC31001-RG_1): length 1.9
  Top w0.15: R31001.1 84.94,11 IC31001.2
Net-(IC31001-RG_2): length 1.9
  Top w0.15: R31001.2 86.21,11.11 IC31001.3
Net-(IC32002-RG_1): length 1.9
  Top w0.15: R32003.1 93.1,11.09 IC32002.2
Net-(IC32002-RG_2): length 1.9
  Top w0.15: IC32002.3 94.37,10.97 R32003.2
Net-(J12-Pin_1): length 12.9
  Top w0.25: J12.1 112.92,18.49 R3.2
Net-(J12-Pin_2): length 8.7
  Top w0.25: R2.1 109.98,23.44 J12.2
Net-(J13-Pin_1): length 12.9
  Top w0.25: R8.2 112.93,37.74 J13.1
Net-(J13-Pin_2): length 8.7
  Top w0.25: J13.2 109.99,42.7 R7.1
Net-(Q5001-G): length 22.5
  Top w0.15: R5002.1 101.31,21.25 C5002.1 100.38,21.23 R5001.2 100.88,19.81 100.88,18.57 103.42,16.03 105.9,16.03 106.46,15.48 106.46,11.21 106.36,11.11 Q5002.2 Q5002.1 103.37,8.05 Q5001.3
Net-(Q8001-G): length 16.4
  Top w0.15: R8001.2 100.39,40.48 C8002.1 ; C8002.1 99.38,41.49 99.38,47.7 Q8002.2 Q8002.1 102.81,50.06 Q8001.3 ; C8002.1 101.32,40.5 R8002.1
Net-(Q9001-G): length 9.8
  Top w0.15: Q9002.1 87.68,24.77 C9002.1 87.71,23.71 R9002.1 ; Q9002.1 Q9002.2 ; Q9002.1 85.04,25.11 Q9001.3
Net-(Q14001-G): length 9.6
  Top w0.15: Q14001.3 93.05,27.05 Q14002.2 Q14002.1 95.97,25.13 C14002.1 95.95,23.75 R14002.2
Net-(Q15001-G): length 21.2
  Top w0.15: Q15001.3 33.62,33.4 Q15002.1 Q15002.2 27.03,30.31 27.03,21.76 27.79,21 C15002.1 29.11,21 29.12,21 29.12,20.09
Net-(Q16001-G): length 8.9
  Top w0.15: 7.46,18.4 C16002.1 ; C16002.1 6.94,18.71 R16001.2 6.74,19.18 Q16002.2 5.78,20.93 Q16001.3 5.81,20.93 Q16002.1 ; C16002.1 7.36,18.31 R16002.1 8.3,18.43 8.26,18.47
Net-(Q17001-G): length 20.8
  Top w0.15: 40.05,20.17 40.05,21.08 40.05,21.09 C17002.1 38.88,21.09 38.04,21.93 38.04,30.4 Q17002.2 Q17002.1 44.37,33.44 Q17001.3
Net-(Q18001-G): length 21.5
  Top w0.15: Q18001.3 55.44,33.93 Q18002.1 Q18002.2 49.51,30.59 49.51,21.76 50.18,21.08 C18002.1 51.5,21.08 51.51,21.08 51.51,20.17
Net-(Q20001-G): length 10.9
  Top w0.15: R20001.2 71.97,37.07 R20002.1 ; Q20002.1 Q20002.2 69.56,38.54 C20002.1 71.08,37.11 R20002.1 ; R20002.1 71.97,39.02 Q20001.3
Net-(Q21001-G): length 16.1
  Top w0.15: Q21001.3 66.03,23.65 Q21002.2 Q21002.1 64.21,19.23 62.53,17.54 62.53,13.24 C21002.1 63.06,12.76 R21001.2 65.05,13.73 R21002.1
Net-(Q24001-G): length 15.2
  Top w0.15: Q24001.3 80.1,22.82 80.09,22.81 Q24002.2 Q24002.1 81.5,19.41 81.5,17.17 80.55,16.22 80.55,13.17 R24002.1 78.62,13.12 C24002.1
Net-(Q25001-G): length 16.2
  Top w0.15: R25002.1 70.23,13.75 R25001.2 69.17,13.75 C25002.1 67.71,13.27 67.71,16.19 68.19,16.67 68.19,18.18 69.22,19.21 Q25002.1 Q25002.2 71.23,23.62 Q25001.3
Net-(Q28001-G): length 8.9
  Top w0.15: 8.43,30.4 8.47,30.36 R30002.1 7.53,30.24 C30002.1 ; C30002.1 7.11,30.63 R30001.2 6.97,31.17 Q28002.2 5.97,32.87 Q28001.3 6.08,32.87 Q28002.1 ; C30002.1 7.63,30.33
Net-(Q30001-G): length 9
  Top w0.15: 21.35,18.45 C32003.1 ; C32003.1 21.26,18.36 R32002.1 22.2,18.48 22.16,18.52 ; C32003.1 20.84,18.75 R32001.2 20.68,19.28 Q30002.2 19.75,20.97 Q30001.3 19.72,20.97 Q30002.1
Net-(Q31001-G): length 9
  Top w0.15: 22.3,30.37 22.34,30.33 R33002.1 21.4,30.21 C33003.1 ; 21.49,30.3 C33003.1 ; C33003.1 20.98,30.61 R33001.2 20.3,31.27 Q31002.2 19.99,32.83 Q31001.3 19.95,32.83 Q31002.1
Net-(Q42001-G): length 14.7
  Top w0.15: C44002.1 73.41,13.1 R44002.1 75.36,13.13 75.36,16.23 76.33,17.2 76.33,19.75 Q42002.1 Q42002.2 75.47,22.51 Q42001.3
Net-(R1001-Pad2): length 1.6
  Top w0.25: R1001.2 108.32,0.51 R1002.2
Net-(U1-S1): length 8.8
  Top w0.15: U1.1 34.79,19.86 R44.1 32.79,17.71 35.42,15.08 R45001.1
Net-(U1-S2): length 7.8
  Top w0.15: U1.4 32.45,21.16 R45002.2 31.97,21.6 31.13,21.6 30.95,21.42 30.95,20.19 28.59,17.83 R47.1
Net-(U2-S1): length 4.8
  Top w0.15: R44003.1 84.43,29.11 84.43,31.19 83.95,31.67 U2.1 83.84,31.88 R53.1
Net-(U2-S2): length 11.1
  Top w0.15: R44004.2 90.64,31.55 90.64,30.72 90.51,30.59 89.63,30.59 89.63,31.21 89.26,31.59 88.53,31.59 88.03,31.09 86.46,31.09 85.73,30.37 U2.4 85.46,30.37 85.03,30.8 85.03,32.83 R56.1
Net-(U3-S1): length 8.8
  Top w0.15: R46001.1 46.36,15.16 43.72,17.79 R62.1 45.73,19.94 U3.1
Net-(U3-S2): length 7.8
  Top w0.15: U3.4 43.39,21.24 R46002.2 42.9,21.69 42.06,21.69 41.88,21.51 41.88,20.27 39.52,17.91 R65.1
Net-(U4-S1): length 8.8
  Top w0.15: R47001.1 57.81,15.16 55.18,17.79 R71.1 57.18,19.94 U4.1
Net-(U4-S2): length 7.8
  Top w0.15: R74.1 50.98,17.91 53.34,20.27 53.34,21.5 53.52,21.68 54.36,21.68 R47002.2 54.84,21.24 U4.4
Net-(U5001-+): length 2.8
  Top w0.15: R5002.2 102.2,22.24 103.47,23.51 U5001.3
Net-(U8001-+): length 2.9
  Top w0.15: 102.35,41.46 102.33,41.44 ; U8001.3 103.47,42.76 102.2,41.49 R8002.2
Net-(U9001-+): length 8.2
  Top w0.15: U9001.3 83.55,24.02 83.78,24.25 87.2,24.25 87.22,24.23 87.22,22.5 87.13,22.41 87.13,22.13 R9002.2 86.71,21.66 C9001.2
Net-(U14002-+): length 8.2
  Top w0.15: C14001.2 94.93,21.76 R14002.1 95.51,22.34 95.51,24.12 95.27,24.36 91.99,24.36 91.76,24.13 U14002.3
Net-(U15001-+): length 10.4
  Top w0.15: C15001.2 29.09,19.07 29.12,19.07 ; U15001.3 27.61,24.92 27.61,21.69 27.8,21.5 29.47,21.5 29.64,21.34 29.64,19.64 R15002.2
Net-(U16001-+): length 3.2
  Top w0.15: R16002.2 8.33,17.32 C16001.2 8.32,17.19 7.65,16.52 U16001.3
Net-(U17001-+): length 10.3
  Top w0.15: C17001.2 40.03,19.15 40.05,19.15 ; R17002.2 40.55,19.7 40.55,20.81 40.58,20.85 40.58,21.37 40.36,21.59 38.73,21.59 38.55,21.77 38.55,25.01 U17001.3
Net-(U18001-+): length 10.3
  Top w0.15: 51.51,19.15 51.48,19.15 C18001.2 ; R18002.2 52.04,19.73 52.04,21.39 51.84,21.59 50.19,21.59 50.01,21.77 50.01,25.01 U18001.3
Net-(U20002-+): length 2.5
  Top w0.15: 72.48,34.75 71.94,35.28 R20001.1 C20001.2
Net-(U21001-+): length 6.4
  Top w0.15: 65.59,12.73 65.59,14 64.58,15.01 64.58,15.63 63.91,16.3 U21001.3 ; 65.59,12.73 66.03,12.73 C21001.2 ; 65.59,12.73 R21002.2
Net-(U24001-+): length 5
  Top w0.15: U24001.3 82.08,14.49 82.08,12.62 C24001.2 80.63,12.13 R24002.2
Net-(U25001-+): length 6.6
  Top w0.15: C25001.2 71.21,12.76 R25002.2 70.75,13.25 70.75,14.04 69.77,15.02 69.77,15.66 69.06,16.37 U25001.3
Net-(U28001-+): length 3.2
  Top w0.15: 7.82,27.78 7.82,28.44 8.49,29.11 C30001.2 8.5,29.25 R30002.2
Net-(U30001-+): length 3.2
  Top w0.15: R32002.2 22.23,17.37 C32002.2 22.22,17.24 21.55,16.57 U30001.3
Net-(U31001-+): length 3.2
  Top w0.15: R33002.2 22.37,29.22 C33002.2 22.36,29.09 21.69,28.42 U31001.3
Net-(U42002-+): length 8.7
  Top w0.15: 75.89,12.11 C44001.2 77.06,12.8 77.06,14.33 U42002.3 75.88,15.51 75.88,12.12 75.89,12.11 ; 75.89,12.11 75.42,12.11 R44002.2

## Copper pours and planes (outline as drawn; the poured copper is in the pictures)
GND on Top, Bottom, In1.Cu, In2.Cu: 127.85,-8 -9.74,-7.62 -10.19,64.81 127.41,64.43

## Text on the board
F.Silkscreen: 5V LDO | Cold Junction RTD | 70mA MAX TOT | SENSE | CNTR0 | DAC | #0 | Pulse Width Mod | 4-20mA | #1 | #2 | #3 | ENCODER | 0-393Ω | FREQ | 0-2V5 | 0-15V | K-Type TC #1 | K-Type TC #0 | 25.7x | 659+ / 2/3x | GND | 0 | +24V | 1 | 2 | 3 | RED | WHITE | + | 3V3 | 12V
